# KiCad board panel.kicad_pcb (continued)
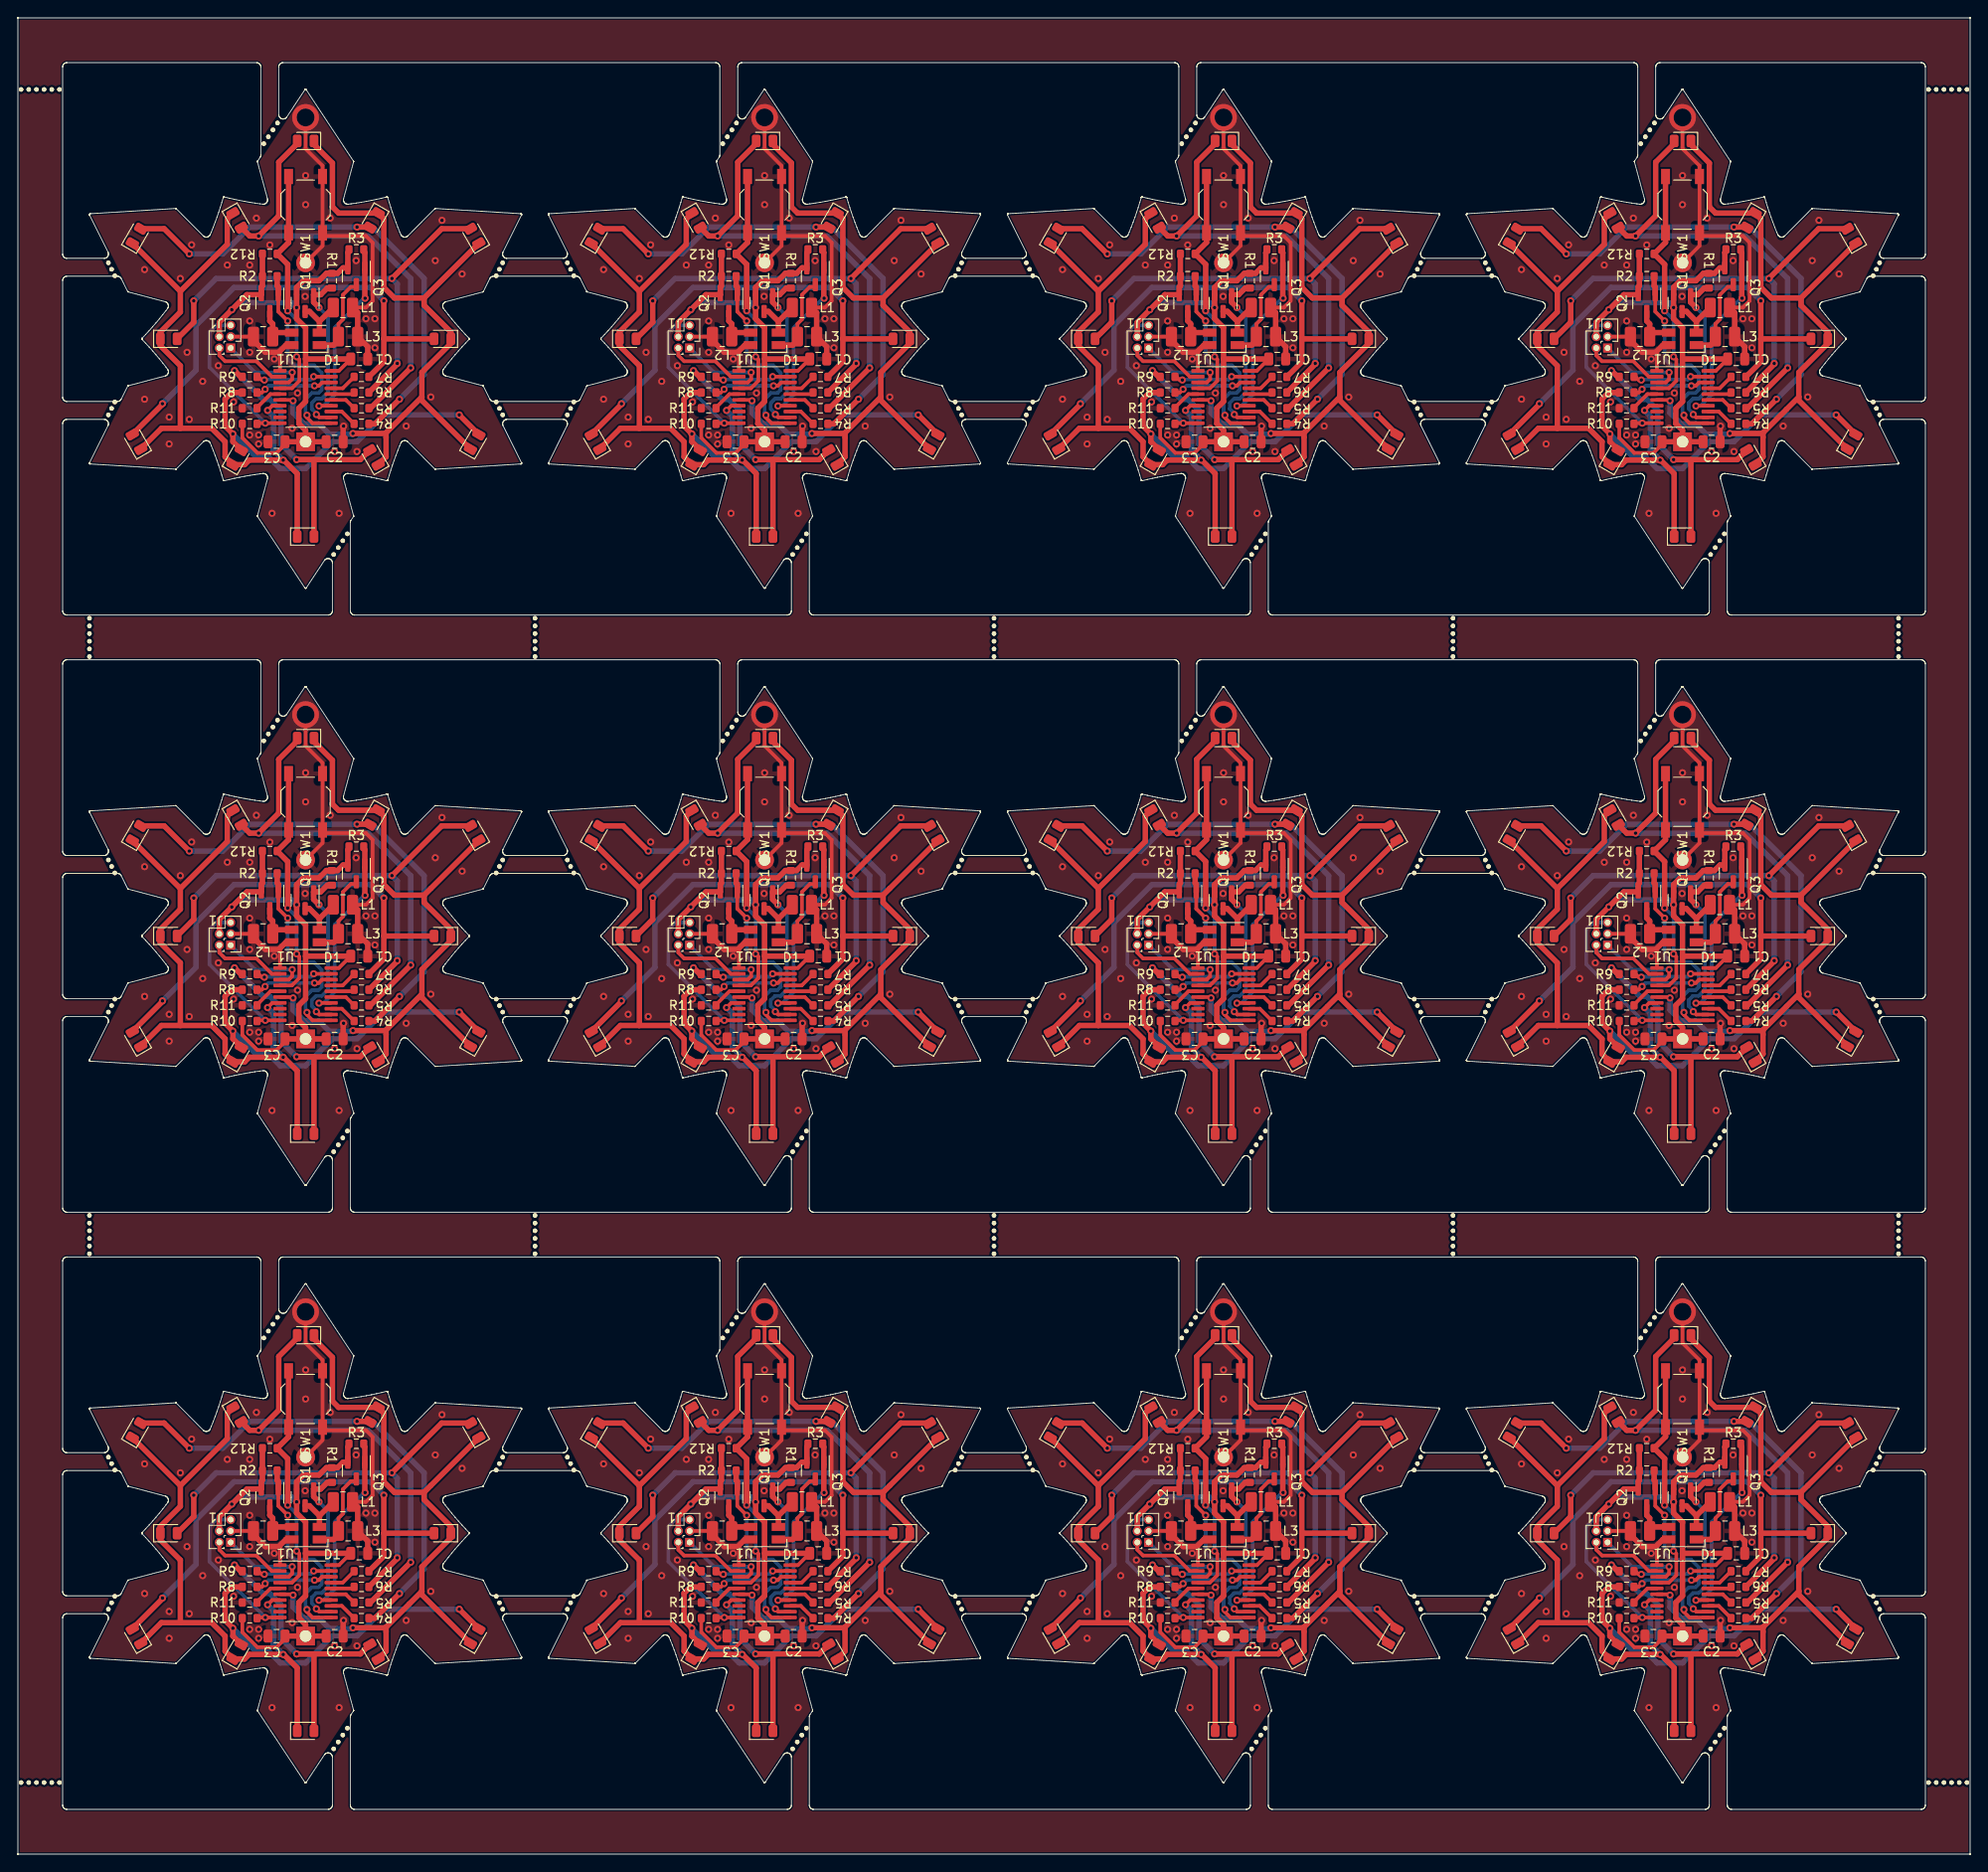
[diagram p0: board, top side]
## Placement (name value [footprint] x y rotation side) (continued)
KiKit_MB_38_3  -  [NPTH]  113.1 110.41 0 top
KiKit_MB_38_4  -  [NPTH]  113.46 109.68 0 top
KiKit_MB_39_2  -  [NPTH]  156.82 94.13 0 top
KiKit_MB_39_3  -  [NPTH]  156.46 94.85 0 top
KiKit_MB_39_4  -  [NPTH]  156.1 95.58 0 top
KiKit_MB_40_1  -  [NPTH]  137.93 78.52 0 top
KiKit_MB_40_2  -  [NPTH]  138.44 79.29 0 top
KiKit_MB_40_3  -  [NPTH]  138.95 80.06 0 top
KiKit_MB_40_4  -  [NPTH]  139.46 80.83 0 top
KiKit_MB_41_2  -  [NPTH]  156.1 109.68 0 top
KiKit_MB_41_3  -  [NPTH]  156.46 110.41 0 top
KiKit_MB_41_4  -  [NPTH]  156.82 111.13 0 top
KiKit_MB_42_2  -  [NPTH]  113.46 95.58 0 top
KiKit_MB_42_3  -  [NPTH]  113.1 94.85 0 top
KiKit_MB_42_4  -  [NPTH]  112.74 94.13 0 top
KiKit_MB_43_1  -  [NPTH]  182.96 126.76 0 top
KiKit_MB_43_2  -  [NPTH]  182.45 125.99 0 top
KiKit_MB_43_3  -  [NPTH]  181.94 125.22 0 top
KiKit_MB_43_4  -  [NPTH]  181.43 124.45 0 top
KiKit_MB_44_2  -  [NPTH]  164.05 111.13 0 top
KiKit_MB_44_3  -  [NPTH]  164.41 110.41 0 top
KiKit_MB_44_4  -  [NPTH]  164.77 109.68 0 top
KiKit_MB_45_2  -  [NPTH]  208.13 94.13 0 top
KiKit_MB_45_3  -  [NPTH]  207.77 94.85 0 top
KiKit_MB_45_4  -  [NPTH]  207.41 95.58 0 top
KiKit_MB_46_1  -  [NPTH]  189.24 78.52 0 top
KiKit_MB_46_2  -  [NPTH]  189.75 79.29 0 top
KiKit_MB_46_3  -  [NPTH]  190.26 80.06 0 top
KiKit_MB_46_4  -  [NPTH]  190.77 80.83 0 top
KiKit_MB_47_2  -  [NPTH]  207.41 109.68 0 top
KiKit_MB_47_3  -  [NPTH]  207.77 110.41 0 top
KiKit_MB_47_4  -  [NPTH]  208.13 111.13 0 top
KiKit_MB_48_2  -  [NPTH]  164.77 95.58 0 top
KiKit_MB_48_3  -  [NPTH]  164.41 94.85 0 top
KiKit_MB_48_4  -  [NPTH]  164.05 94.13 0 top
KiKit_MB_49_1  -  [NPTH]  29.02 60.01 0 top
KiKit_MB_49_2  -  [NPTH]  28.51 59.24 0 top
KiKit_MB_49_3  -  [NPTH]  28 58.47 0 top
KiKit_MB_49_4  -  [NPTH]  27.49 57.69 0 top
KiKit_MB_50_2  -  [NPTH]  10.12 44.38 0 top
KiKit_MB_50_3  -  [NPTH]  10.48 43.65 0 top
KiKit_MB_50_4  -  [NPTH]  10.84 42.93 0 top
KiKit_MB_51_2  -  [NPTH]  54.2 27.37 0 top
KiKit_MB_51_3  -  [NPTH]  53.84 28.1 0 top
KiKit_MB_51_4  -  [NPTH]  53.48 28.82 0 top
KiKit_MB_52_1  -  [NPTH]  35.3 11.77 0 top
KiKit_MB_52_2  -  [NPTH]  35.81 12.54 0 top
KiKit_MB_52_3  -  [NPTH]  36.32 13.31 0 top
KiKit_MB_52_4  -  [NPTH]  36.83 14.08 0 top
KiKit_MB_53_2  -  [NPTH]  53.47 42.93 0 top
KiKit_MB_53_3  -  [NPTH]  53.83 43.65 0 top
KiKit_MB_53_4  -  [NPTH]  54.2 44.38 0 top
KiKit_MB_54_2  -  [NPTH]  10.84 28.82 0 top
KiKit_MB_54_3  -  [NPTH]  10.48 28.1 0 top
KiKit_MB_54_4  -  [NPTH]  10.11 27.37 0 top
KiKit_MB_55_1  -  [NPTH]  80.33 60.01 0 top
KiKit_MB_55_2  -  [NPTH]  79.82 59.24 0 top
KiKit_MB_55_3  -  [NPTH]  79.31 58.47 0 top
KiKit_MB_55_4  -  [NPTH]  78.8 57.69 0 top
KiKit_MB_56_2  -  [NPTH]  61.43 44.38 0 top
KiKit_MB_56_3  -  [NPTH]  61.79 43.65 0 top
KiKit_MB_56_4  -  [NPTH]  62.15 42.93 0 top
KiKit_MB_57_2  -  [NPTH]  105.51 27.37 0 top
KiKit_MB_57_3  -  [NPTH]  105.15 28.1 0 top
KiKit_MB_57_4  -  [NPTH]  104.79 28.82 0 top
KiKit_MB_58_1  -  [NPTH]  86.61 11.77 0 top
KiKit_MB_58_2  -  [NPTH]  87.13 12.54 0 top
KiKit_MB_58_3  -  [NPTH]  87.64 13.31 0 top
KiKit_MB_58_4  -  [NPTH]  88.15 14.08 0 top
KiKit_MB_59_2  -  [NPTH]  104.79 42.93 0 top
KiKit_MB_59_3  -  [NPTH]  105.15 43.65 0 top
KiKit_MB_59_4  -  [NPTH]  105.51 44.38 0 top
KiKit_MB_60_2  -  [NPTH]  62.15 28.82 0 top
KiKit_MB_60_3  -  [NPTH]  61.79 28.1 0 top
KiKit_MB_60_4  -  [NPTH]  61.43 27.37 0 top
KiKit_MB_61_1  -  [NPTH]  131.65 60.01 0 top
KiKit_MB_61_2  -  [NPTH]  131.13 59.24 0 top
KiKit_MB_61_3  -  [NPTH]  130.62 58.47 0 top
KiKit_MB_61_4  -  [NPTH]  130.11 57.69 0 top
KiKit_MB_62_2  -  [NPTH]  112.74 44.38 0 top
KiKit_MB_62_3  -  [NPTH]  113.1 43.65 0 top
KiKit_MB_62_4  -  [NPTH]  113.46 42.93 0 top
KiKit_MB_63_2  -  [NPTH]  156.82 27.37 0 top
KiKit_MB_63_3  -  [NPTH]  156.46 28.1 0 top
KiKit_MB_63_4  -  [NPTH]  156.1 28.82 0 top
KiKit_MB_64_1  -  [NPTH]  137.93 11.77 0 top
KiKit_MB_64_2  -  [NPTH]  138.44 12.54 0 top
KiKit_MB_64_3  -  [NPTH]  138.95 13.31 0 top
KiKit_MB_64_4  -  [NPTH]  139.46 14.08 0 top
KiKit_MB_65_2  -  [NPTH]  156.1 42.93 0 top
KiKit_MB_65_3  -  [NPTH]  156.46 43.65 0 top
KiKit_MB_65_4  -  [NPTH]  156.82 44.38 0 top
KiKit_MB_66_2  -  [NPTH]  113.46 28.82 0 top
KiKit_MB_66_3  -  [NPTH]  113.1 28.1 0 top
KiKit_MB_66_4  -  [NPTH]  112.74 27.37 0 top
KiKit_MB_67_1  -  [NPTH]  182.96 60.01 0 top
KiKit_MB_67_2  -  [NPTH]  182.45 59.24 0 top
KiKit_MB_67_3  -  [NPTH]  181.94 58.47 0 top
KiKit_MB_67_4  -  [NPTH]  181.43 57.69 0 top
KiKit_MB_68_2  -  [NPTH]  164.05 44.38 0 top
KiKit_MB_68_3  -  [NPTH]  164.41 43.65 0 top
KiKit_MB_68_4  -  [NPTH]  164.77 42.93 0 top
KiKit_MB_69_2  -  [NPTH]  208.13 27.37 0 top
KiKit_MB_69_3  -  [NPTH]  207.77 28.1 0 top
KiKit_MB_69_4  -  [NPTH]  207.41 28.82 0 top
KiKit_MB_70_1  -  [NPTH]  189.24 11.77 0 top
KiKit_MB_70_2  -  [NPTH]  189.75 12.54 0 top
KiKit_MB_70_3  -  [NPTH]  190.26 13.31 0 top
KiKit_MB_70_4  -  [NPTH]  190.77 14.08 0 top
KiKit_MB_71_2  -  [NPTH]  207.41 42.93 0 top
KiKit_MB_71_3  -  [NPTH]  207.77 43.65 0 top
KiKit_MB_71_4  -  [NPTH]  208.13 44.38 0 top
KiKit_MB_72_2  -  [NPTH]  164.77 28.82 0 top
KiKit_MB_72_3  -  [NPTH]  164.41 28.1 0 top
KiKit_MB_72_4  -  [NPTH]  164.05 27.37 0 top
KiKit_MB_73_2  -  [NPTH]  109.12 133.87 0 top
KiKit_MB_73_3  -  [NPTH]  109.12 134.72 0 top
KiKit_MB_73_4  -  [NPTH]  109.12 135.58 0 top
KiKit_MB_73_5  -  [NPTH]  109.12 136.44 0 top
KiKit_MB_73_6  -  [NPTH]  109.12 137.3 0 top
KiKit_MB_73_7  -  [NPTH]  109.12 138.15 0 top
KiKit_MB_74_2  -  [NPTH]  160.44 138.15 0 top
KiKit_MB_74_3  -  [NPTH]  160.44 137.3 0 top
KiKit_MB_74_4  -  [NPTH]  160.44 136.44 0 top
KiKit_MB_74_5  -  [NPTH]  160.44 135.58 0 top
KiKit_MB_74_6  -  [NPTH]  160.44 134.72 0 top
KiKit_MB_74_7  -  [NPTH]  160.44 133.87 0 top
KiKit_MB_75_2  -  [NPTH]  57.81 133.87 0 top
KiKit_MB_75_3  -  [NPTH]  57.81 134.72 0 top
KiKit_MB_75_4  -  [NPTH]  57.81 135.58 0 top
KiKit_MB_75_5  -  [NPTH]  57.81 136.44 0 top
KiKit_MB_75_6  -  [NPTH]  57.81 137.3 0 top
KiKit_MB_75_7  -  [NPTH]  57.81 138.15 0 top
KiKit_MB_76_2  -  [NPTH]  160.44 67.11 0 top
KiKit_MB_76_3  -  [NPTH]  160.44 67.97 0 top
KiKit_MB_76_4  -  [NPTH]  160.44 68.83 0 top
KiKit_MB_76_5  -  [NPTH]  160.44 69.68 0 top
KiKit_MB_76_6  -  [NPTH]  160.44 70.54 0 top
KiKit_MB_76_7  -  [NPTH]  160.44 71.4 0 top
KiKit_MB_77_2  -  [NPTH]  210.25 71.4 0 top
KiKit_MB_77_3  -  [NPTH]  210.25 70.54 0 top
KiKit_MB_77_4  -  [NPTH]  210.25 69.68 0 top
KiKit_MB_77_5  -  [NPTH]  210.25 68.83 0 top
KiKit_MB_77_6  -  [NPTH]  210.25 67.97 0 top
KiKit_MB_77_7  -  [NPTH]  210.25 67.11 0 top
KiKit_MB_78_2  -  [NPTH]  8 138.15 0 top
KiKit_MB_78_3  -  [NPTH]  8 137.3 0 top
KiKit_MB_78_4  -  [NPTH]  8 136.44 0 top
KiKit_MB_78_5  -  [NPTH]  8 135.58 0 top
KiKit_MB_78_6  -  [NPTH]  8 134.72 0 top
KiKit_MB_78_7  -  [NPTH]  8 133.87 0 top
KiKit_MB_79_2  -  [NPTH]  109.12 67.11 0 top
KiKit_MB_79_3  -  [NPTH]  109.12 67.97 0 top
KiKit_MB_79_4  -  [NPTH]  109.12 68.83 0 top
KiKit_MB_79_5  -  [NPTH]  109.12 69.68 0 top
KiKit_MB_79_6  -  [NPTH]  109.12 70.54 0 top
KiKit_MB_79_7  -  [NPTH]  109.12 71.4 0 top
KiKit_MB_80_2  -  [NPTH]  8 71.4 0 top
KiKit_MB_80_3  -  [NPTH]  8 70.54 0 top
KiKit_MB_80_4  -  [NPTH]  8 69.68 0 top
KiKit_MB_80_5  -  [NPTH]  8 68.83 0 top
KiKit_MB_80_6  -  [NPTH]  8 67.97 0 top
KiKit_MB_80_7  -  [NPTH]  8 67.11 0 top
KiKit_MB_81_2  -  [NPTH]  57.81 71.4 0 top
KiKit_MB_81_3  -  [NPTH]  57.81 70.54 0 top
KiKit_MB_81_4  -  [NPTH]  57.81 69.68 0 top
KiKit_MB_81_5  -  [NPTH]  57.81 68.83 0 top
KiKit_MB_81_6  -  [NPTH]  57.81 67.97 0 top
KiKit_MB_81_7  -  [NPTH]  57.81 67.11 0 top
KiKit_MB_82_2  -  [NPTH]  210.25 138.15 0 top
KiKit_MB_82_3  -  [NPTH]  210.25 137.3 0 top
KiKit_MB_82_4  -  [NPTH]  210.25 136.44 0 top
KiKit_MB_82_5  -  [NPTH]  210.25 135.58 0 top
KiKit_MB_82_6  -  [NPTH]  210.25 134.72 0 top
KiKit_MB_82_7  -  [NPTH]  210.25 133.87 0 top
KiKit_MB_83_2  -  [NPTH]  0.36 197.27 0 top
KiKit_MB_83_3  -  [NPTH]  1.21 197.27 0 top
KiKit_MB_83_4  -  [NPTH]  2.07 197.27 0 top
KiKit_MB_83_5  -  [NPTH]  2.93 197.27 0 top
KiKit_MB_83_6  -  [NPTH]  3.79 197.27 0 top
KiKit_MB_83_7  -  [NPTH]  4.64 197.27 0 top
KiKit_MB_84_2  -  [NPTH]  0.36 8 0 top
KiKit_MB_84_3  -  [NPTH]  1.21 8 0 top
KiKit_MB_84_4  -  [NPTH]  2.07 8 0 top
KiKit_MB_84_5  -  [NPTH]  2.93 8 0 top
KiKit_MB_84_6  -  [NPTH]  3.79 8 0 top
KiKit_MB_84_7  -  [NPTH]  4.64 8 0 top
KiKit_MB_85_2  -  [NPTH]  213.6 197.27 0 top
KiKit_MB_85_3  -  [NPTH]  214.46 197.27 0 top
KiKit_MB_85_4  -  [NPTH]  215.32 197.27 0 top
KiKit_MB_85_5  -  [NPTH]  216.18 197.27 0 top
KiKit_MB_85_6  -  [NPTH]  217.03 197.27 0 top
KiKit_MB_85_7  -  [NPTH]  217.89 197.27 0 top
KiKit_MB_86_2  -  [NPTH]  213.6 8 0 top
KiKit_MB_86_3  -  [NPTH]  214.46 8 0 top
KiKit_MB_86_4  -  [NPTH]  215.32 8 0 top
KiKit_MB_86_5  -  [NPTH]  216.18 8 0 top
KiKit_MB_86_6  -  [NPTH]  217.03 8 0 top
KiKit_MB_86_7  -  [NPTH]  217.89 8 0 top
L1  L  [L_1008_2520Metric]  138.96 106.13 0 top
L1#2  L  [L_1008_2520Metric]  138.96 172.89 0 top
L1#3  L  [L_1008_2520Metric]  36.34 106.13 0 top
L1#4  L  [L_1008_2520Metric]  87.65 106.13 0 top
L1#5  L  [L_1008_2520Metric]  190.27 172.89 0 top
L1#6  L  [L_1008_2520Metric]  190.27 106.13 0 top
L1#7  L  [L_1008_2520Metric]  138.96 39.38 0 top
L1#8  L  [L_1008_2520Metric]  36.34 172.89 0 top
L1#9  L  [L_1008_2520Metric]  87.65 39.38 0 top
L1#10  L  [L_1008_2520Metric]  190.27 39.38 0 top
L1#11  L  [L_1008_2520Metric]  36.34 39.38 0 top
L1#12  L  [L_1008_2520Metric]  87.65 172.89 0 top
L2  L  [L_1008_2520Metric]  130.04 102.88 180 top
L2#2  L  [L_1008_2520Metric]  78.72 169.64 180 top
L2#3  L  [L_1008_2520Metric]  27.41 102.88 180 top
L2#4  L  [L_1008_2520Metric]  130.04 36.13 180 top
L2#5  L  [L_1008_2520Metric]  27.41 169.64 180 top
L2#6  L  [L_1008_2520Metric]  181.35 102.88 180 top
L2#7  L  [L_1008_2520Metric]  181.35 36.13 180 top
L2#8  L  [L_1008_2520Metric]  27.41 36.13 180 top
L2#9  L  [L_1008_2520Metric]  78.72 36.13 180 top
L2#10  L  [L_1008_2520Metric]  130.04 169.64 180 top
L2#11  L  [L_1008_2520Metric]  181.35 169.64 180 top
L2#12  L  [L_1008_2520Metric]  78.72 102.88 180 top
L3  L  [L_1008_2520Metric]  190.85 102.88 0 top
L3#2  L  [L_1008_2520Metric]  190.85 169.64 0 top
L3#3  L  [L_1008_2520Metric]  36.91 102.88 0 top
L3#4  L  [L_1008_2520Metric]  88.22 36.13 0 top
L3#5  L  [L_1008_2520Metric]  36.91 169.64 0 top
L3#6  L  [L_1008_2520Metric]  88.22 102.88 0 top
L3#7  L  [L_1008_2520Metric]  139.54 169.64 0 top
L3#8  L  [L_1008_2520Metric]  190.85 36.13 0 top
L3#9  L  [L_1008_2520Metric]  139.54 102.88 0 top
L3#10  L  [L_1008_2520Metric]  88.22 169.64 0 top
L3#11  L  [L_1008_2520Metric]  36.91 36.13 0 top
L3#12  L  [L_1008_2520Metric]  139.54 36.13 0 top
Q1  AO3401A  [SOT-23]  186.05 39.88 90 top
Q1#2  AO3401A  [SOT-23]  32.11 173.39 90 top
Q1#3  AO3401A  [SOT-23]  83.42 106.63 90 top
Q1#4  AO3401A  [SOT-23]  134.74 173.39 90 top
Q1#5  AO3401A  [SOT-23]  83.42 39.88 90 top
Q1#6  AO3401A  [SOT-23]  134.74 39.88 90 top
Q1#7  AO3401A  [SOT-23]  32.11 39.88 90 top
Q1#8  AO3401A  [SOT-23]  83.42 173.39 90 top
Q1#9  AO3401A  [SOT-23]  186.05 173.39 90 top
Q1#10  AO3401A  [SOT-23]  32.11 106.63 90 top
Q1#11  AO3401A  [SOT-23]  134.74 106.63 90 top
Q1#12  AO3401A  [SOT-23]  186.05 106.63 90 top
Q2  AO3401A  [SOT-23]  79.47 173.39 90 top
Q2#2  AO3401A  [SOT-23]  28.16 173.39 90 top
Q2#3  AO3401A  [SOT-23]  79.47 106.63 90 top
Q2#4  AO3401A  [SOT-23]  182.1 106.63 90 top
Q2#5  AO3401A  [SOT-23]  130.79 39.88 90 top
Q2#6  AO3401A  [SOT-23]  28.16 39.88 90 top
Q2#7  AO3401A  [SOT-23]  182.1 39.88 90 top
Q2#8  AO3401A  [SOT-23]  28.16 106.63 90 top
Q2#9  AO3401A  [SOT-23]  130.79 173.39 90 top
Q2#10  AO3401A  [SOT-23]  79.47 39.88 90 top
Q2#11  AO3401A  [SOT-23]  130.79 106.63 90 top
Q2#12  AO3401A  [SOT-23]  182.1 173.39 90 top
Q3  AO3401A  [SOT-23]  37.84 176.39 90 top
Q3#2  AO3401A  [SOT-23]  89.15 42.88 90 top
Q3#3  AO3401A  [SOT-23]  191.77 176.39 90 top
Q3#4  AO3401A  [SOT-23]  191.77 109.63 90 top
Q3#5  AO3401A  [SOT-23]  140.46 109.63 90 top
Q3#6  AO3401A  [SOT-23]  89.15 176.39 90 top
Q3#7  AO3401A  [SOT-23]  37.84 109.63 90 top
Q3#8  AO3401A  [SOT-23]  37.84 42.88 90 top
Q3#9  AO3401A  [SOT-23]  140.46 42.88 90 top
Q3#10  AO3401A  [SOT-23]  89.15 109.63 90 top
Q3#11  AO3401A  [SOT-23]  140.46 176.39 90 top
Q3#12  AO3401A  [SOT-23]  191.77 42.88 90 top
R1  100k  [R_0603_1608Metric]  35.09 109.13 270 top
R1#2  100k  [R_0603_1608Metric]  86.4 109.13 270 top
R1#3  100k  [R_0603_1608Metric]  137.71 175.89 270 top
R1#4  100k  [R_0603_1608Metric]  35.09 175.89 270 top
R1#5  100k  [R_0603_1608Metric]  189.02 109.13 270 top
R1#6  100k  [R_0603_1608Metric]  137.71 109.13 270 top
R1#7  100k  [R_0603_1608Metric]  86.4 175.89 270 top
R1#8  100k  [R_0603_1608Metric]  35.09 42.38 270 top
R1#9  100k  [R_0603_1608Metric]  189.02 42.38 270 top
R1#10  100k  [R_0603_1608Metric]  137.71 42.38 270 top
R1#11  100k  [R_0603_1608Metric]  189.02 175.89 270 top
R1#12  100k  [R_0603_1608Metric]  86.4 42.38 270 top
R2  100k  [R_0603_1608Metric]  79.47 176.39 0 top
R2#2  100k  [R_0603_1608Metric]  130.79 109.63 0 top
R2#3  100k  [R_0603_1608Metric]  28.16 176.39 0 top
R2#4  100k  [R_0603_1608Metric]  182.1 109.63 0 top
R2#5  100k  [R_0603_1608Metric]  28.16 109.63 0 top
R2#6  100k  [R_0603_1608Metric]  130.79 176.39 0 top
R2#7  100k  [R_0603_1608Metric]  182.1 42.88 0 top
R2#8  100k  [R_0603_1608Metric]  79.47 42.88 0 top
R2#9  100k  [R_0603_1608Metric]  182.1 176.39 0 top
R2#10  100k  [R_0603_1608Metric]  130.79 42.88 0 top
R2#11  100k  [R_0603_1608Metric]  79.47 109.63 0 top
R2#12  100k  [R_0603_1608Metric]  28.16 42.88 0 top
R3  100k  [R_0603_1608Metric]  89.15 45.88 0 top
R3#2  100k  [R_0603_1608Metric]  191.77 45.88 0 top
R3#3  100k  [R_0603_1608Metric]  37.84 45.88 0 top
R3#4  100k  [R_0603_1608Metric]  140.46 112.63 0 top
R3#5  100k  [R_0603_1608Metric]  140.46 45.88 0 top
R3#6  100k  [R_0603_1608Metric]  37.84 179.39 0 top
R3#7  100k  [R_0603_1608Metric]  89.15 112.63 0 top
R3#8  100k  [R_0603_1608Metric]  89.15 179.39 0 top
R3#9  100k  [R_0603_1608Metric]  140.46 179.39 0 top
R3#10  100k  [R_0603_1608Metric]  191.77 179.39 0 top
R3#11  100k  [R_0603_1608Metric]  191.77 112.63 0 top
R3#12  100k  [R_0603_1608Metric]  37.84 112.63 0 top
R4  1k  [R_0603_1608Metric]  89.72 93.13 180 top
R4#2  1k  [R_0603_1608Metric]  89.72 26.38 180 top
R4#3  1k  [R_0603_1608Metric]  192.35 159.89 180 top
R4#4  1k  [R_0603_1608Metric]  192.35 26.38 180 top
R4#5  1k  [R_0603_1608Metric]  38.41 159.89 180 top
R4#6  1k  [R_0603_1608Metric]  141.04 159.89 180 top
R4#7  1k  [R_0603_1608Metric]  141.04 26.38 180 top
R4#8  1k  [R_0603_1608Metric]  89.72 159.89 180 top
R4#9  1k  [R_0603_1608Metric]  38.41 93.13 180 top
R4#10  1k  [R_0603_1608Metric]  38.41 26.38 180 top
R4#11  1k  [R_0603_1608Metric]  141.04 93.13 180 top
R4#12  1k  [R_0603_1608Metric]  192.35 93.13 180 top
R5  1k  [R_0603_1608Metric]  141.04 28.13 180 top
R5#2  1k  [R_0603_1608Metric]  192.35 28.13 180 top
R5#3  1k  [R_0603_1608Metric]  38.41 28.13 180 top
R5#4  1k  [R_0603_1608Metric]  89.72 94.88 180 top
R5#5  1k  [R_0603_1608Metric]  141.04 94.88 180 top
R5#6  1k  [R_0603_1608Metric]  192.35 161.64 180 top
R5#7  1k  [R_0603_1608Metric]  89.72 28.13 180 top
R5#8  1k  [R_0603_1608Metric]  141.04 161.64 180 top
R5#9  1k  [R_0603_1608Metric]  192.35 94.88 180 top
R5#10  1k  [R_0603_1608Metric]  89.72 161.64 180 top
R5#11  1k  [R_0603_1608Metric]  38.41 161.64 180 top
R5#12  1k  [R_0603_1608Metric]  38.41 94.88 180 top
R6  1k  [R_0603_1608Metric]  38.41 96.63 180 top
R6#2  1k  [R_0603_1608Metric]  89.72 163.39 180 top
R6#3  1k  [R_0603_1608Metric]  141.04 29.88 180 top
R6#4  1k  [R_0603_1608Metric]  38.41 163.39 180 top
R6#5  1k  [R_0603_1608Metric]  89.72 96.63 180 top
R6#6  1k  [R_0603_1608Metric]  192.35 29.88 180 top
R6#7  1k  [R_0603_1608Metric]  141.04 96.63 180 top
R6#8  1k  [R_0603_1608Metric]  38.41 29.88 180 top
R6#9  1k  [R_0603_1608Metric]  141.04 163.39 180 top
R6#10  1k  [R_0603_1608Metric]  192.35 163.39 180 top
R6#11  1k  [R_0603_1608Metric]  89.72 29.88 180 top
R6#12  1k  [R_0603_1608Metric]  192.35 96.63 180 top
R7  1k  [R_0603_1608Metric]  141.04 165.14 180 top
R7#2  1k  [R_0603_1608Metric]  141.04 31.63 180 top
R7#3  1k  [R_0603_1608Metric]  141.04 98.38 180 top
R7#4  1k  [R_0603_1608Metric]  89.72 165.14 180 top
R7#5  1k  [R_0603_1608Metric]  192.35 165.14 180 top
R7#6  1k  [R_0603_1608Metric]  192.35 31.63 180 top
R7#7  1k  [R_0603_1608Metric]  89.72 98.38 180 top
R7#8  1k  [R_0603_1608Metric]  38.41 31.63 180 top
R7#9  1k  [R_0603_1608Metric]  38.41 98.38 180 top
R7#10  1k  [R_0603_1608Metric]  192.35 98.38 180 top
R7#11  1k  [R_0603_1608Metric]  38.41 165.14 180 top
R7#12  1k  [R_0603_1608Metric]  89.72 31.63 180 top
R8  1k  [R_0603_1608Metric]  128.54 96.63 0 top
R8#2  1k  [R_0603_1608Metric]  179.85 29.88 0 top
R8#3  1k  [R_0603_1608Metric]  128.54 29.88 0 top
R8#4  1k  [R_0603_1608Metric]  179.85 163.39 0 top
R8#5  1k  [R_0603_1608Metric]  128.54 163.39 0 top
R8#6  1k  [R_0603_1608Metric]  77.22 29.88 0 top
R8#7  1k  [R_0603_1608Metric]  77.22 96.63 0 top
R8#8  1k  [R_0603_1608Metric]  179.85 96.63 0 top
R8#9  1k  [R_0603_1608Metric]  77.22 163.39 0 top
R8#10  1k  [R_0603_1608Metric]  25.91 29.88 0 top
R8#11  1k  [R_0603_1608Metric]  25.91 96.63 0 top
R8#12  1k  [R_0603_1608Metric]  25.91 163.39 0 top
R9  1k  [R_0603_1608Metric]  25.91 165.14 0 top
R9#2  1k  [R_0603_1608Metric]  77.22 165.14 0 top
R9#3  1k  [R_0603_1608Metric]  179.85 31.63 0 top
R9#4  1k  [R_0603_1608Metric]  77.22 31.63 0 top
R9#5  1k  [R_0603_1608Metric]  25.91 31.63 0 top
R9#6  1k  [R_0603_1608Metric]  179.85 98.38 0 top
R9#7  1k  [R_0603_1608Metric]  128.54 98.38 0 top
R9#8  1k  [R_0603_1608Metric]  128.54 165.14 0 top
R9#9  1k  [R_0603_1608Metric]  179.85 165.14 0 top
R9#10  1k  [R_0603_1608Metric]  77.22 98.38 0 top
R9#11  1k  [R_0603_1608Metric]  25.91 98.38 0 top
R9#12  1k  [R_0603_1608Metric]  128.54 31.63 0 top
R10  100k  [R_0603_1608Metric]  25.91 26.38 0 top
R10#2  100k  [R_0603_1608Metric]  77.22 26.38 0 top
R10#3  100k  [R_0603_1608Metric]  128.54 26.38 0 top
R10#4  100k  [R_0603_1608Metric]  77.22 93.13 0 top
R10#5  100k  [R_0603_1608Metric]  179.85 26.38 0 top
R10#6  100k  [R_0603_1608Metric]  25.91 159.89 0 top
R10#7  100k  [R_0603_1608Metric]  128.54 159.89 0 top
R10#8  100k  [R_0603_1608Metric]  25.91 93.13 0 top
R10#9  100k  [R_0603_1608Metric]  179.85 93.13 0 top
R10#10  100k  [R_0603_1608Metric]  128.54 93.13 0 top
R10#11  100k  [R_0603_1608Metric]  179.85 159.89 0 top
R10#12  100k  [R_0603_1608Metric]  77.22 159.89 0 top
R11  100k  [R_0603_1608Metric]  128.54 161.64 0 top
R11#2  100k  [R_0603_1608Metric]  128.54 94.88 0 top
R11#3  100k  [R_0603_1608Metric]  25.91 161.64 0 top
R11#4  100k  [R_0603_1608Metric]  25.91 94.88 0 top
R11#5  100k  [R_0603_1608Metric]  77.22 161.64 0 top
R11#6  100k  [R_0603_1608Metric]  25.91 28.13 0 top
R11#7  100k  [R_0603_1608Metric]  179.85 161.64 0 top
R11#8  100k  [R_0603_1608Metric]  179.85 94.88 0 top
R11#9  100k  [R_0603_1608Metric]  77.22 94.88 0 top
R11#10  100k  [R_0603_1608Metric]  77.22 28.13 0 top
R11#11  100k  [R_0603_1608Metric]  128.54 28.13 0 top
R11#12  100k  [R_0603_1608Metric]  179.85 28.13 0 top
R12  100k  [R_0603_1608Metric]  182.1 45.38 180 top
R12#2  100k  [R_0603_1608Metric]  79.47 178.89 180 top
R12#3  100k  [R_0603_1608Metric]  79.47 112.13 180 top
R12#4  100k  [R_0603_1608Metric]  28.16 178.89 180 top
R12#5  100k  [R_0603_1608Metric]  28.16 45.38 180 top
R12#6  100k  [R_0603_1608Metric]  182.1 178.89 180 top
R12#7  100k  [R_0603_1608Metric]  130.79 112.13 180 top
R12#8  100k  [R_0603_1608Metric]  182.1 112.13 180 top
R12#9  100k  [R_0603_1608Metric]  79.47 45.38 180 top
R12#10  100k  [R_0603_1608Metric]  28.16 112.13 180 top
R12#11  100k  [R_0603_1608Metric]  130.79 45.38 180 top
R12#12  100k  [R_0603_1608Metric]  130.79 178.89 180 top
SW1  SW_DPST_x2  [SW_SPST_TL3342]  186.1 117.63 90 top
SW1#2  SW_DPST_x2  [SW_SPST_TL3342]  32.16 184.39 90 top
SW1#3  SW_DPST_x2  [SW_SPST_TL3342]  134.79 184.39 90 top
SW1#4  SW_DPST_x2  [SW_SPST_TL3342]  134.79 117.63 90 top
SW1#5  SW_DPST_x2  [SW_SPST_TL3342]  186.1 184.39 90 top
SW1#6  SW_DPST_x2  [SW_SPST_TL3342]  32.16 117.63 90 top
SW1#7  SW_DPST_x2  [SW_SPST_TL3342]  83.47 184.39 90 top
SW1#8  SW_DPST_x2  [SW_SPST_TL3342]  134.79 50.88 90 top
SW1#9  SW_DPST_x2  [SW_SPST_TL3342]  32.16 50.88 90 top
SW1#10  SW_DPST_x2  [SW_SPST_TL3342]  83.47 117.63 90 top
SW1#11  SW_DPST_x2  [SW_SPST_TL3342]  186.1 50.88 90 top
SW1#12  SW_DPST_x2  [SW_SPST_TL3342]  83.47 50.88 90 top
U1  PY32F002AF15P6TU  [TSSOP-20_4.4x6.5mm_P0.65mm]  32.16 29.38 180 top
U1#2  PY32F002AF15P6TU  [TSSOP-20_4.4x6.5mm_P0.65mm]  83.47 96.13 180 top
U1#3  PY32F002AF15P6TU  [TSSOP-20_4.4x6.5mm_P0.65mm]  186.1 96.13 180 top
U1#4  PY32F002AF15P6TU  [TSSOP-20_4.4x6.5mm_P0.65mm]  186.1 29.38 180 top
U1#5  PY32F002AF15P6TU  [TSSOP-20_4.4x6.5mm_P0.65mm]  186.1 162.89 180 top
U1#6  PY32F002AF15P6TU  [TSSOP-20_4.4x6.5mm_P0.65mm]  32.16 162.89 180 top
U1#7  PY32F002AF15P6TU  [TSSOP-20_4.4x6.5mm_P0.65mm]  83.47 162.89 180 top
U1#8  PY32F002AF15P6TU  [TSSOP-20_4.4x6.5mm_P0.65mm]  83.47 29.38 180 top
U1#9  PY32F002AF15P6TU  [TSSOP-20_4.4x6.5mm_P0.65mm]  134.79 162.89 180 top
U1#10  PY32F002AF15P6TU  [TSSOP-20_4.4x6.5mm_P0.65mm]  134.79 29.38 180 top
U1#11  PY32F002AF15P6TU  [TSSOP-20_4.4x6.5mm_P0.65mm]  134.79 96.13 180 top
U1#12  PY32F002AF15P6TU  [TSSOP-20_4.4x6.5mm_P0.65mm]  32.16 96.13 180 top

## Library data of the parts
BT1 BT1#2-BT1#12 = -: Description: Multiple-cell battery
C1 C1#2-C1#12 C2 C2#2-C2#12 C3 C3#2-C3#12 = -: Description: Unpolarized capacitor
D1 D1#2-D1#12 = -: Description: RGB LED, anode/red/green/blue
D2 D2#2-D2#12 D3 D3#2-D3#12 D4 D4#2-D4#12 D5 D5#2-D5#12 D6 D6#2-D6#12 D7 D7#2-D7#12 D8 D8#2-D8#12 D9 D9#2-D9#12 D10 D10#2-D10#12 D11 D11#2-D11#12 D12 D12#2-D12#12 D13 D13#2-D13#12 = -: Description: Light emitting diode
J1 J1#2-J1#12 = -: Description: Generic connector, double row, 05 pins, odd/even pin numbering scheme (row 1 odd numbers, row 2 even numbers), script generated (kicad-library-utils/schlib/autogen/connector/)
L1 L1#2-L1#12 L2 L2#2-L2#12 L3 L3#2-L3#12 = -: Description: Inductor
Q1 Q1#2-Q1#12 Q2 Q2#2-Q2#12 Q3 Q3#2-Q3#12 = -: Description: -4.0A Id, -30V Vds, P-Channel MOSFET, SOT-23
R1 R1#2-R1#12 R2 R2#2-R2#12 R3 R3#2-R3#12 R4 R4#2-R4#12 R5 R5#2-R5#12 R6 R6#2-R6#12 R7 R7#2-R7#12 R8 R8#2-R8#12 R9 R9#2-R9#12 R10 R10#2-R10#12 R11 R11#2-R11#12 R12 R12#2-R12#12 = -: Description: Resistor
SW1 SW1#2-SW1#12 = -: Description: Single Pole Single Throw (SPST) switch, separate symbol

## Footprints (pads in the part's own frame, mm; a bottom-side part is the same pattern mirrored in y, then rotated)
C_0805_2012Metric
  rrect 1x1.45 smd: 1(-0.95,0) 2(0.95,0)
CR2032_Holder
  rect 2.1x2.1 hole 1.3: 1(0,0)
  round 2.1 hole 1.3: 2(20,0)
L_1008_2520Metric
  rrect 1.25x2.2 smd: 1(-1.075,0) 2(1.075,0)
LED_0805_2012Metric
  rrect 0.975x1.4 smd: 1(-0.938,0) 2(0.938,0)
LED_RGB_Wuerth-PLCC4_3.2x2.8mm_150141M173100
  rect 1.5x0.9 smd: 1(-1.55,-0.7) 2(-1.55,0.7) 3(1.55,-0.7) 4(1.55,0.7)
NPTH
  round 0.5 hole 0.5 unplated: (0,0)
ProgConnector_5pin
  rect 1x1 hole 0.65: 1(0,0)
  oval 1x1 hole 0.65: 2(1.27,0) 3(0,-1.27) 4(1.27,-1.27) 5(0,-2.54)
R_0603_1608Metric
  rrect 0.8x0.95 smd: 1(-0.825,0) 2(0.825,0)
SOT-23
  rrect 1.475x0.6 smd: 1(0.938,-0.95) 2(0.938,0.95) 3(-0.938,0)
SW_SPST_TL3342
  rect 1.7x1 smd: 1(-3.15,1.9) 1(3.15,1.9) 2(-3.15,-1.9) 2(3.15,-1.9)
TSSOP-20_4.4x6.5mm_P0.65mm
  rrect 1.475x0.4 smd: 1(2.862,-2.925) 2(2.862,-2.275) 3(2.862,-1.625) 4(2.862,-0.975) 5(2.862,-0.325) 6(2.862,0.325) 7(2.862,0.975) 8(2.862,1.625) 9(2.862,2.275) 10(2.862,2.925) 11(-2.862,2.925) 12(-2.862,2.275) 13(-2.862,1.625) 14(-2.862,0.975) 15(-2.862,0.325) 16(-2.862,-0.325) 17(-2.862,-0.975) 18(-2.862,-1.625) 19(-2.862,-2.275) 20(-2.862,-2.925)

## Nets
Board_0-/B: Q1#2.1 R1#4.2 U1#6.12
Board_0-/G: Q3.1 R3#6.2 U1#6.14
Board_0-/L1: R4#5.2 U1#6.13
Board_0-/L2: R5#11.2 U1#6.15
Board_0-/L3: R6#4.2 U1#6.16
Board_0-/L4: R7#11.2 U1#6.17
Board_0-/L5: R8#12.2 U1#6.18
Board_0-/L6: R9.2 U1#6.19
Board_0-/MPX1: D3#5.1 D5#8.1 D7#6.1 D9#10.1 D11#4.1 D13#2.1 U1#6.6
Board_0-/MPX2: D2#7.1 D4#6.1 D6#4.1 D8#10.1 D10#4.1 D12#9.1 U1#6.7
Board_0-/nRST: J1#12.5 R10#6.2 U1#6.10
Board_0-/R: Q2#2.1 R2#3.2 U1#6.11
Board_0-/SWC: J1#12.1 U1#6.3
Board_0-/SWD: J1#12.2 U1#6.2
Board_0-GND: BT1#8.2 C1#6.1 C2#11.2 C3#5.2 D1#7.1 J1#12.3 L1#8.2 L2#5.2 L3#5.2 R11#3.1 SW1#2.2 U1#6.1
Board_0-Net-(D1-BK): D1#7.4 L1#8.1 Q1#2.3
Board_0-Net-(D1-GK): D1#7.3 L3#5.1 Q3.3
Board_0-Net-(D1-RK): D1#7.2 L2#5.1 Q2#2.3
Board_0-Net-(D2-A): D2#7.2 D3#5.2 R4#5.1
Board_0-Net-(D4-A): D4#6.2 D5#8.2 R5#11.1
Board_0-Net-(D6-A): D6#4.2 D7#6.2 R6#4.1
Board_0-Net-(D8-A): D8#10.2 D9#10.2 R7#11.1
Board_0-Net-(D10-A): D10#4.2 D11#4.2 R8#12.1
Board_0-Net-(D12-A): D12#9.2 D13#2.2 R9.1
Board_0-Net-(SW1A-A): R12#4.1 SW1#2.1 U1#6.4
Board_0-Net-(U1-PB6/PF4-BOOT0): R11#3.2 U1#6.5
Board_0-unconnected-(U1-PF0-OSCIN-Pad8): U1#6.8
Board_0-unconnected-(U1-PF1-OSCOUT-Pad9): U1#6.9
Board_0-VCC: BT1#8.1 C1#6.2 C2#11.1 C3#5.1 J1#12.4 Q1#2.2 Q2#2.2 Q3.2 R1#4.1 R2#3.1 R3#6.1 R10#6.1 R12#4.2 U1#6.20
Board_1-/B: Q1#8.1 R1#7.2 U1#7.12
Board_1-/G: Q3#6.1 R3#8.2 U1#7.14
Board_1-/L1: R4#8.2 U1#7.13
Board_1-/L2: R5#10.2 U1#7.15
Board_1-/L3: R6#2.2 U1#7.16
Board_1-/L4: R7#4.2 U1#7.17
Board_1-/L5: R8#9.2 U1#7.18
Board_1-/L6: R9#2.2 U1#7.19
Board_1-/MPX1: D3#4.1 D5#5.1 D7.1 D9#3.1 D11#3.1 D13#11.1 U1#7.6
Board_1-/MPX2: D2#6.1 D4#5.1 D6#6.1 D8#3.1 D10#10.1 D12#11.1 U1#7.7
Board_1-/nRST: J1#6.5 R10#12.2 U1#7.10
Board_1-/R: Q2.1 R2.2 U1#7.11
Board_1-/SWC: J1#6.1 U1#7.3
Board_1-/SWD: J1#6.2 U1#7.2
Board_1-GND: BT1#7.2 C1#7.1 C2#7.2 C3#10.2 D1#8.1 J1#6.3 L1#12.2 L2#2.2 L3#10.2 R11#5.1 SW1#7.2 U1#7.1
Board_1-Net-(D1-BK): D1#8.4 L1#12.1 Q1#8.3
Board_1-Net-(D1-GK): D1#8.3 L3#10.1 Q3#6.3
Board_1-Net-(D1-RK): D1#8.2 L2#2.1 Q2.3
Board_1-Net-(D2-A): D2#6.2 D3#4.2 R4#8.1
Board_1-Net-(D4-A): D4#5.2 D5#5.2 R5#10.1
Board_1-Net-(D6-A): D6#6.2 D7.2 R6#2.1
Board_1-Net-(D8-A): D8#3.2 D9#3.2 R7#4.1
Board_1-Net-(D10-A): D10#10.2 D11#3.2 R8#9.1
Board_1-Net-(D12-A): D12#11.2 D13#11.2 R9#2.1
Board_1-Net-(SW1A-A): R12#2.1 SW1#7.1 U1#7.4
Board_1-Net-(U1-PB6/PF4-BOOT0): R11#5.2 U1#7.5
Board_1-unconnected-(U1-PF0-OSCIN-Pad8): U1#7.8
Board_1-unconnected-(U1-PF1-OSCOUT-Pad9): U1#7.9
Board_1-VCC: BT1#7.1 C1#7.2 C2#7.1 C3#10.1 J1#6.4 Q1#8.2 Q2.2 Q3#6.2 R1#7.1 R2.1 R3#8.1 R10#12.1 R12#2.2 U1#7.20
Board_2-/B: Q1#4.1 R1#3.2 U1#9.12
Board_2-/G: Q3#11.1 R3#9.2 U1#9.14
Board_2-/L1: R4#6.2 U1#9.13
Board_2-/L2: R5#8.2 U1#9.15
Board_2-/L3: R6#9.2 U1#9.16
Board_2-/L4: R7.2 U1#9.17
Board_2-/L5: R8#5.2 U1#9.18
Board_2-/L6: R9#8.2 U1#9.19
Board_2-/MPX1: D3#6.1 D5#10.1 D7#10.1 D9#8.1 D11#7.1 D13#12.1 U1#9.6
Board_2-/MPX2: D2#8.1 D4#3.1 D6#5.1 D8#9.1 D10#7.1 D12#7.1 U1#9.7
Board_2-/nRST: J1#3.5 R10#7.2 U1#9.10
Board_2-/R: Q2#9.1 R2#6.2 U1#9.11
Board_2-/SWC: J1#3.1 U1#9.3
Board_2-/SWD: J1#3.2 U1#9.2
Board_2-GND: BT1#6.2 C1#12.1 C2.2 C3#9.2 D1#11.1 J1#3.3 L1#2.2 L2#10.2 L3#7.2 R11.1 SW1#3.2 U1#9.1
Board_2-Net-(D1-BK): D1#11.4 L1#2.1 Q1#4.3
Board_2-Net-(D1-GK): D1#11.3 L3#7.1 Q3#11.3
Board_2-Net-(D1-RK): D1#11.2 L2#10.1 Q2#9.3
Board_2-Net-(D2-A): D2#8.2 D3#6.2 R4#6.1
Board_2-Net-(D4-A): D4#3.2 D5#10.2 R5#8.1
Board_2-Net-(D6-A): D6#5.2 D7#10.2 R6#9.1
Board_2-Net-(D8-A): D8#9.2 D9#8.2 R7.1
Board_2-Net-(D10-A): D10#7.2 D11#7.2 R8#5.1
Board_2-Net-(D12-A): D12#7.2 D13#12.2 R9#8.1
Board_2-Net-(SW1A-A): R12#12.1 SW1#3.1 U1#9.4
Board_2-Net-(U1-PB6/PF4-BOOT0): R11.2 U1#9.5
Board_2-unconnected-(U1-PF0-OSCIN-Pad8): U1#9.8
Board_2-unconnected-(U1-PF1-OSCOUT-Pad9): U1#9.9
Board_2-VCC: BT1#6.1 C1#12.2 C2.1 C3#9.1 J1#3.4 Q1#4.2 Q2#9.2 Q3#11.2 R1#3.1 R2#6.1 R3#9.1 R10#7.1 R12#12.2 U1#9.20
Board_3-/B: Q1#9.1 R1#11.2 U1#5.12
Board_3-/G: Q3#3.1 R3#10.2 U1#5.14
Board_3-/L1: R4#3.2 U1#5.13
Board_3-/L2: R5#6.2 U1#5.15
Board_3-/L3: R6#10.2 U1#5.16
Board_3-/L4: R7#5.2 U1#5.17
Board_3-/L5: R8#4.2 U1#5.18
Board_3-/L6: R9#9.2 U1#5.19
Board_3-/MPX1: D3#8.1 D5#6.1 D7#9.1 D9#2.1 D11.1 D13#3.1 U1#5.6
Board_3-/MPX2: D2#9.1 D4#7.1 D6.1 D8#11.1 D10#6.1 D12#5.1 U1#5.7
Board_3-/nRST: J1#5.5 R10#11.2 U1#5.10
Board_3-/R: Q2#12.1 R2#9.2 U1#5.11
Board_3-/SWC: J1#5.1 U1#5.3
Board_3-/SWD: J1#5.2 U1#5.2
Board_3-GND: BT1#12.2 C1#2.1 C2#2.2 C3#2.2 D1#6.1 J1#5.3 L1#5.2 L2#11.2 L3#2.2 R11#7.1 SW1#5.2 U1#5.1
Board_3-Net-(D1-BK): D1#6.4 L1#5.1 Q1#9.3
Board_3-Net-(D1-GK): D1#6.3 L3#2.1 Q3#3.3
Board_3-Net-(D1-RK): D1#6.2 L2#11.1 Q2#12.3
Board_3-Net-(D2-A): D2#9.2 D3#8.2 R4#3.1
Board_3-Net-(D4-A): D4#7.2 D5#6.2 R5#6.1
Board_3-Net-(D6-A): D6.2 D7#9.2 R6#10.1
Board_3-Net-(D8-A): D8#11.2 D9#2.2 R7#5.1
Board_3-Net-(D10-A): D10#6.2 D11.2 R8#4.1
Board_3-Net-(D12-A): D12#5.2 D13#3.2 R9#9.1
Board_3-Net-(SW1A-A): R12#6.1 SW1#5.1 U1#5.4
Board_3-Net-(U1-PB6/PF4-BOOT0): R11#7.2 U1#5.5
Board_3-unconnected-(U1-PF0-OSCIN-Pad8): U1#5.8
Board_3-unconnected-(U1-PF1-OSCOUT-Pad9): U1#5.9
Board_3-VCC: BT1#12.1 C1#2.2 C2#2.1 C3#2.1 J1#5.4 Q1#9.2 Q2#12.2 Q3#3.2 R1#11.1 R2#9.1 R3#10.1 R10#11.1 R12#6.2 U1#5.20
Board_4-/B: Q1#10.1 R1.2 U1#12.12
Board_4-/G: Q3#7.1 R3#12.2 U1#12.14
Board_4-/L1: R4#9.2 U1#12.13
Board_4-/L2: R5#12.2 U1#12.15
Board_4-/L3: R6.2 U1#12.16
Board_4-/L4: R7#9.2 U1#12.17
Board_4-/L5: R8#11.2 U1#12.18
Board_4-/L6: R9#11.2 U1#12.19
Board_4-/MPX1: D3#3.1 D5#9.1 D7#4.1 D9#5.1 D11#8.1 D13#5.1 U1#12.6
Board_4-/MPX2: D2#5.1 D4#10.1 D6#11.1 D8#4.1 D10#12.1 D12#10.1 U1#12.7
Board_4-/nRST: J1#11.5 R10#8.2 U1#12.10
Board_4-/R: Q2#8.1 R2#5.2 U1#12.11
Board_4-/SWC: J1#11.1 U1#12.3
Board_4-/SWD: J1#11.2 U1#12.2
Board_4-GND: BT1#11.2 C1#5.1 C2#6.2 C3#6.2 D1#12.1 J1#11.3 L1#3.2 L2#3.2 L3#3.2 R11#4.1 SW1#6.2 U1#12.1
Board_4-Net-(D1-BK): D1#12.4 L1#3.1 Q1#10.3
Board_4-Net-(D1-GK): D1#12.3 L3#3.1 Q3#7.3
Board_4-Net-(D1-RK): D1#12.2 L2#3.1 Q2#8.3
Board_4-Net-(D2-A): D2#5.2 D3#3.2 R4#9.1
Board_4-Net-(D4-A): D4#10.2 D5#9.2 R5#12.1
Board_4-Net-(D6-A): D6#11.2 D7#4.2 R6.1
Board_4-Net-(D8-A): D8#4.2 D9#5.2 R7#9.1
Board_4-Net-(D10-A): D10#12.2 D11#8.2 R8#11.1
Board_4-Net-(D12-A): D12#10.2 D13#5.2 R9#11.1
Board_4-Net-(SW1A-A): R12#10.1 SW1#6.1 U1#12.4
Board_4-Net-(U1-PB6/PF4-BOOT0): R11#4.2 U1#12.5
Board_4-unconnected-(U1-PF0-OSCIN-Pad8): U1#12.8
Board_4-unconnected-(U1-PF1-OSCOUT-Pad9): U1#12.9
Board_4-VCC: BT1#11.1 C1#5.2 C2#6.1 C3#6.1 J1#11.4 Q1#10.2 Q2#8.2 Q3#7.2 R1.1 R2#5.1 R3#12.1 R10#8.1 R12#10.2 U1#12.20
Board_5-/B: Q1#3.1 R1#2.2 U1#2.12
Board_5-/G: Q3#10.1 R3#7.2 U1#2.14
Board_5-/L1: R4.2 U1#2.13
Board_5-/L2: R5#4.2 U1#2.15
Board_5-/L3: R6#5.2 U1#2.16
Board_5-/L4: R7#7.2 U1#2.17
Board_5-/L5: R8#7.2 U1#2.18
Board_5-/L6: R9#10.2 U1#2.19
Board_5-/MPX1: D3#7.1 D5#7.1 D7#11.1 D9#9.1 D11#10.1 D13#8.1 U1#2.6
Board_5-/MPX2: D2#3.1 D4.1 D6#7.1 D8#7.1 D10#3.1 D12#8.1 U1#2.7
Board_5-/nRST: J1#4.5 R10#4.2 U1#2.10
Board_5-/R: Q2#3.1 R2#11.2 U1#2.11
Board_5-/SWC: J1#4.1 U1#2.3
Board_5-/SWD: J1#4.2 U1#2.2
Board_5-GND: BT1#4.2 C1#4.1 C2#3.2 C3#11.2 D1#2.1 J1#4.3 L1#4.2 L2#12.2 L3#6.2 R11#9.1 SW1#10.2 U1#2.1
Board_5-Net-(D1-BK): D1#2.4 L1#4.1 Q1#3.3
Board_5-Net-(D1-GK): D1#2.3 L3#6.1 Q3#10.3
Board_5-Net-(D1-RK): D1#2.2 L2#12.1 Q2#3.3
Board_5-Net-(D2-A): D2#3.2 D3#7.2 R4.1
Board_5-Net-(D4-A): D4.2 D5#7.2 R5#4.1
Board_5-Net-(D6-A): D6#7.2 D7#11.2 R6#5.1
Board_5-Net-(D8-A): D8#7.2 D9#9.2 R7#7.1
Board_5-Net-(D10-A): D10#3.2 D11#10.2 R8#7.1
Board_5-Net-(D12-A): D12#8.2 D13#8.2 R9#10.1
Board_5-Net-(SW1A-A): R12#3.1 SW1#10.1 U1#2.4
Board_5-Net-(U1-PB6/PF4-BOOT0): R11#9.2 U1#2.5
Board_5-unconnected-(U1-PF0-OSCIN-Pad8): U1#2.8
Board_5-unconnected-(U1-PF1-OSCOUT-Pad9): U1#2.9
Board_5-VCC: BT1#4.1 C1#4.2 C2#3.1 C3#11.1 J1#4.4 Q1#3.2 Q2#3.2 Q3#10.2 R1#2.1 R2#11.1 R3#7.1 R10#4.1 R12#3.2 U1#2.20
Board_6-/B: Q1#11.1 R1#6.2 U1#11.12
Board_6-/G: Q3#5.1 R3#4.2 U1#11.14
Board_6-/L1: R4#11.2 U1#11.13
Board_6-/L2: R5#5.2 U1#11.15
Board_6-/L3: R6#7.2 U1#11.16
Board_6-/L4: R7#3.2 U1#11.17
Board_6-/L5: R8.2 U1#11.18
Board_6-/L6: R9#7.2 U1#11.19
